# Altium PCB 28Pins_Project_1.1_PCB.PcbDoc (part 1 of 2)
Units mil, origin at the board's own origin, x right, y up, seen from the top; angles counter-clockwise.
Board outline 2700 x 2100 mil, 2 copper layers (L1, L2), stack 65.827 mil thick; 106 components, 71 nets, 323 pads, 107 vias.
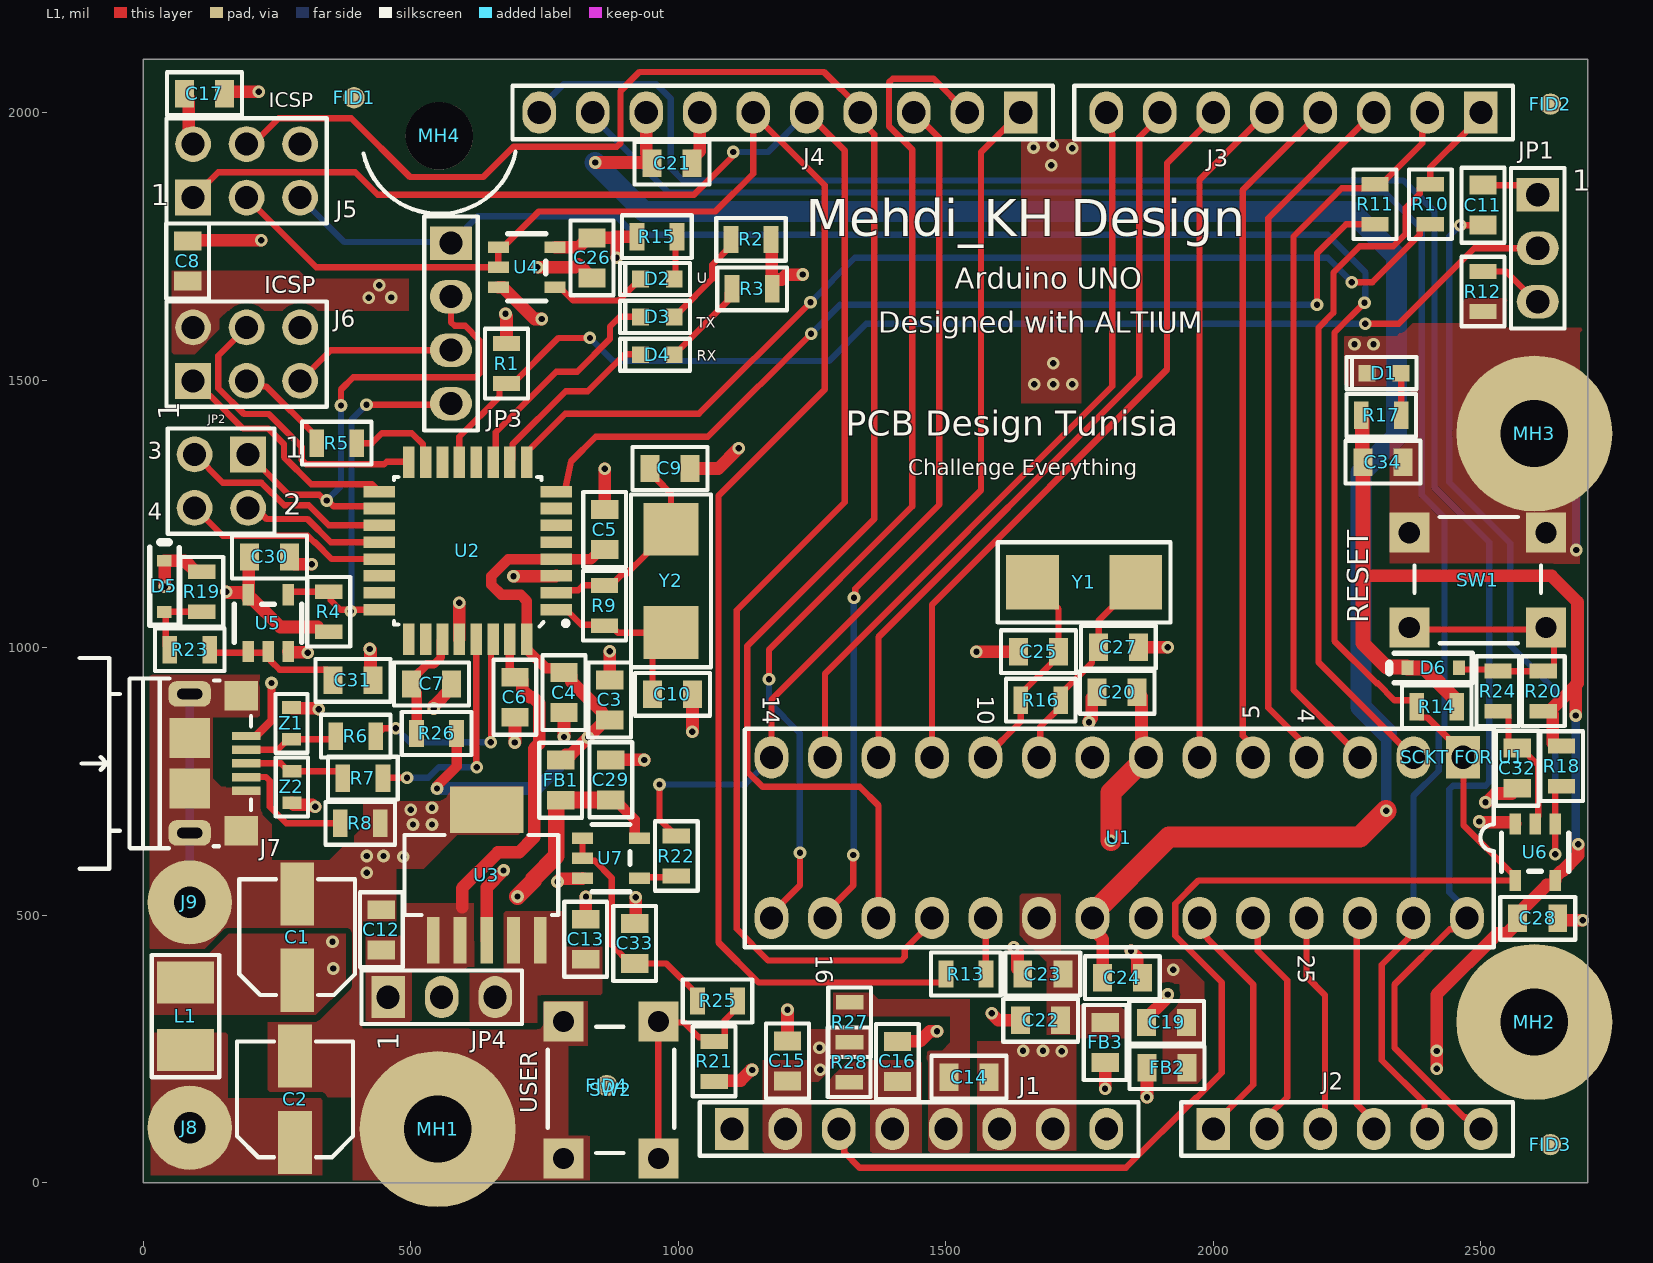
[diagram p0: L1 view]
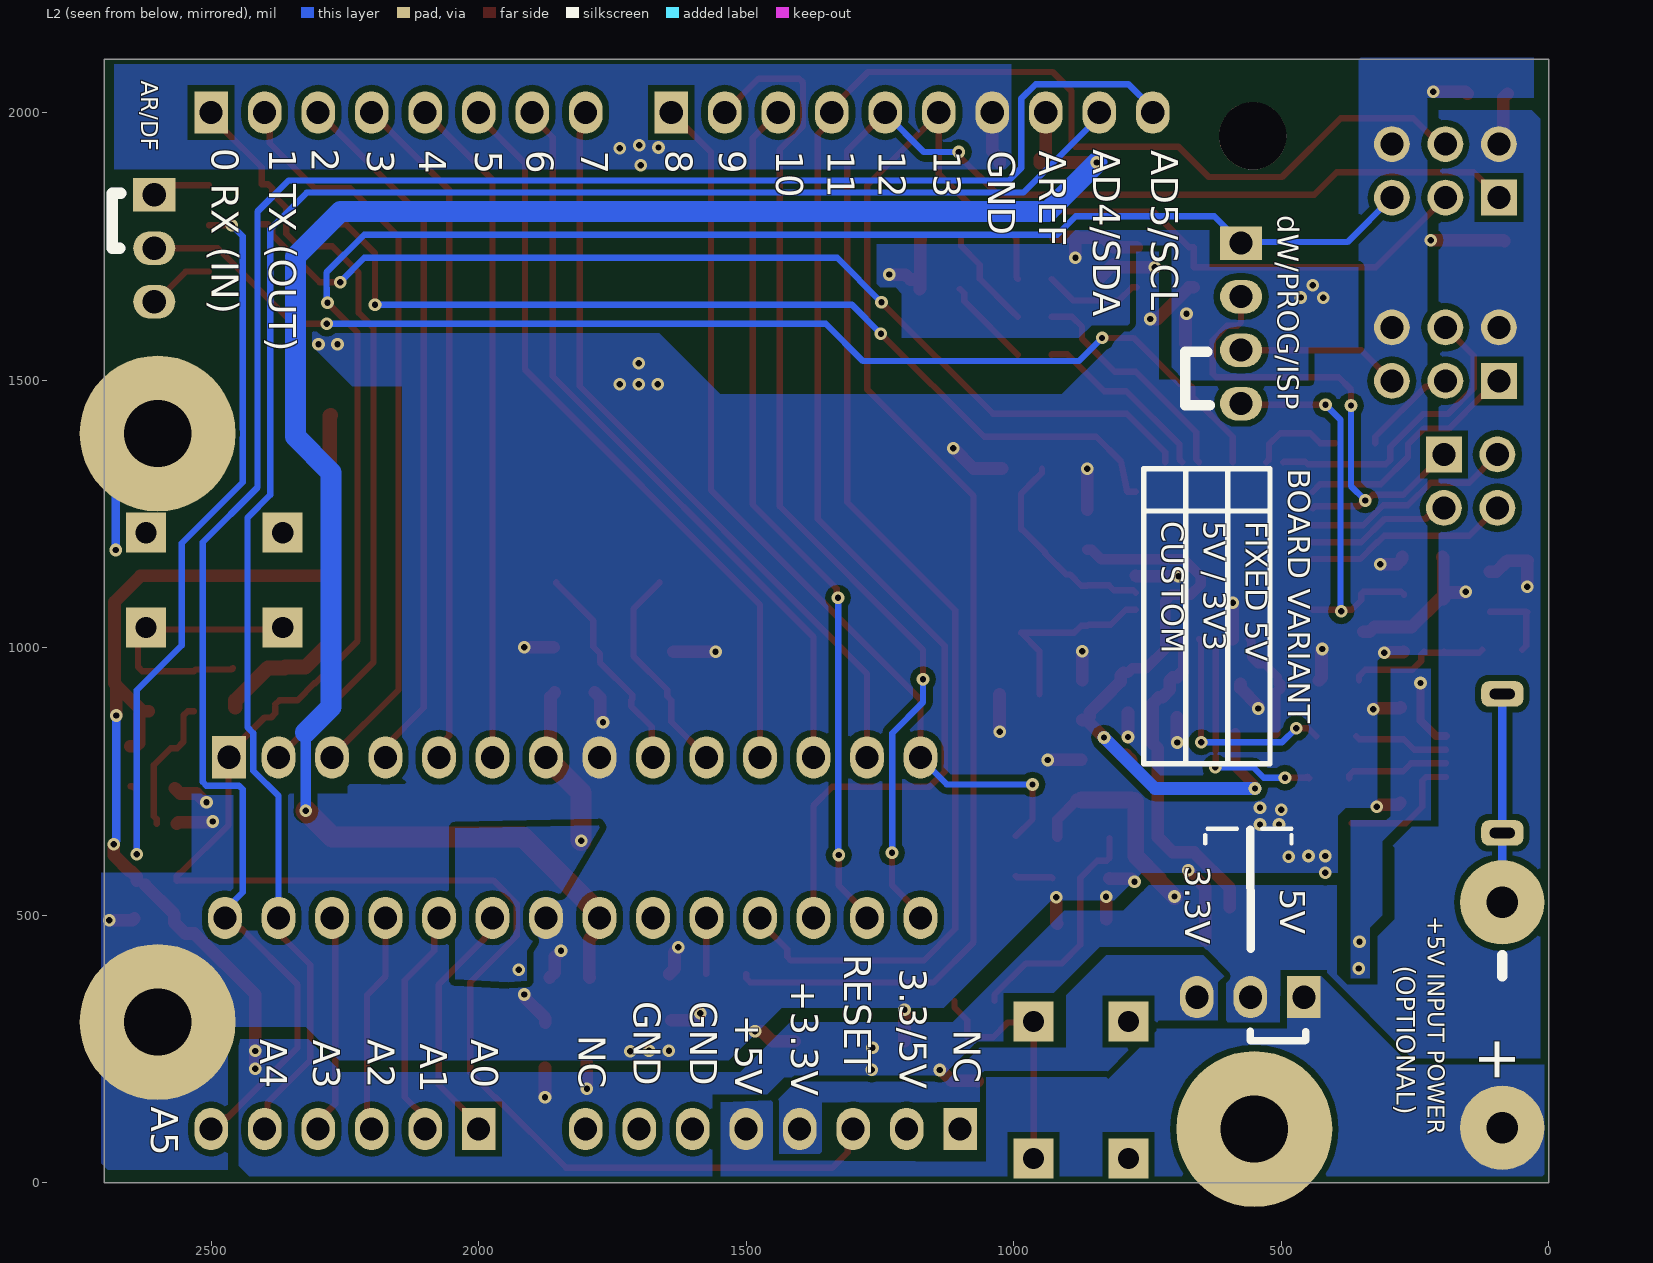
[diagram p1: L2 view, seen from below]
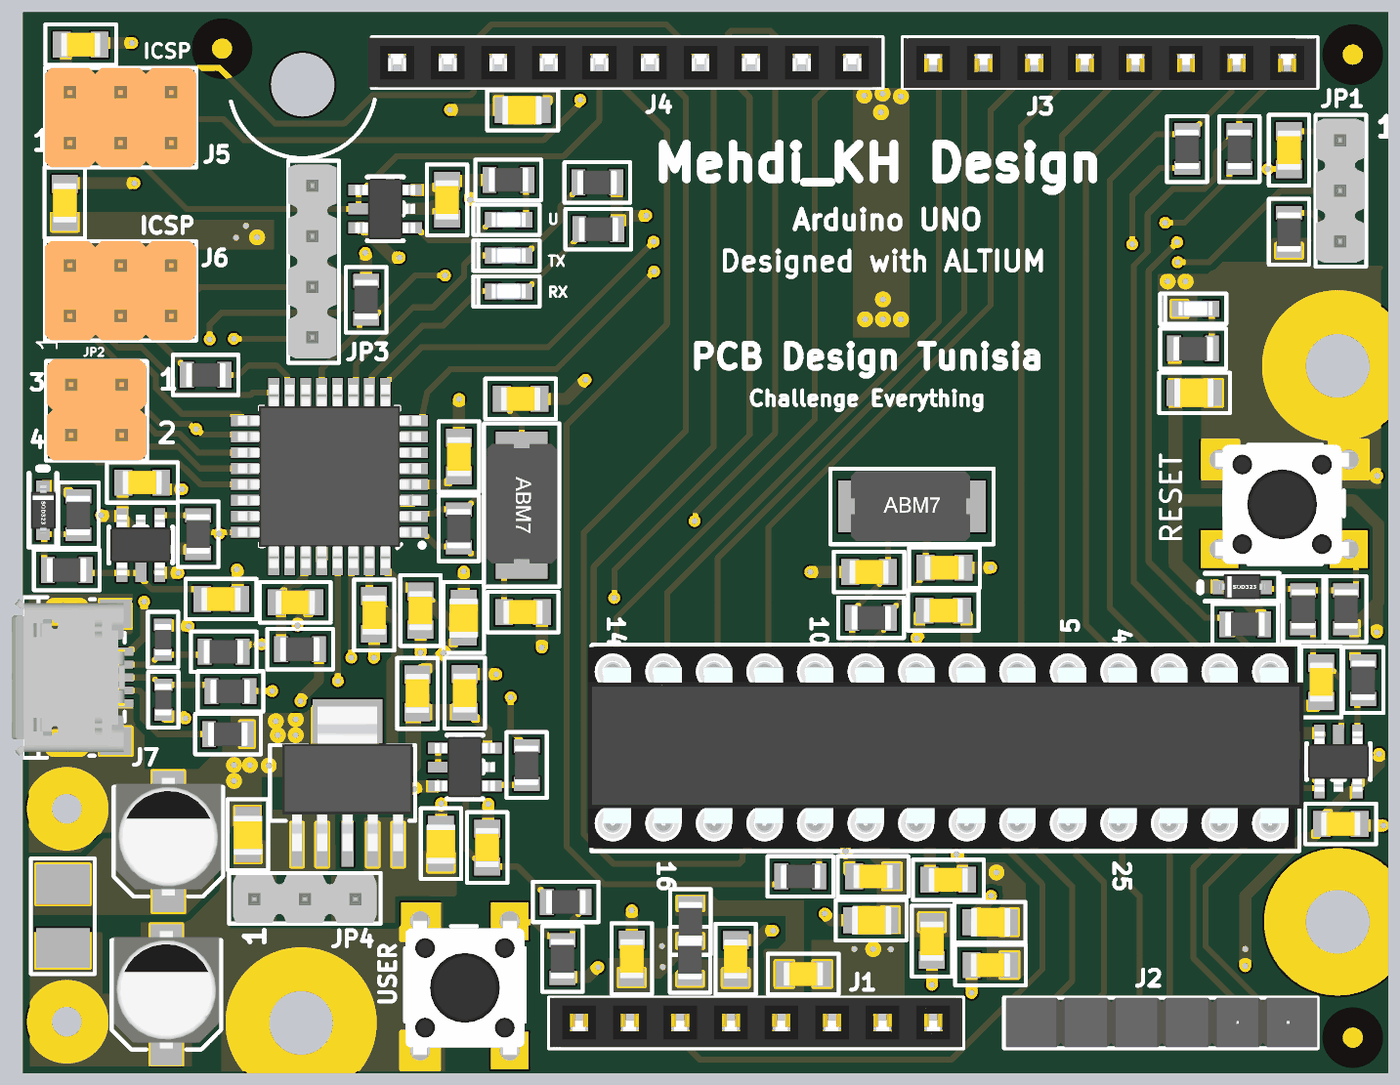
[diagram p3: 3D render of the assembled board from above, using the file's embedded part models]

## Layer stack, top to bottom
Top Solder: solder mask 0.3937, Solder Resist, Dk 3.5
L1: signal copper 1.4173
Dielectric 1: dielectric 62.9921, FR-4, Dk 4.8
L2: signal copper 1.4173
Bottom Solder: solder mask 0.3937, Solder Resist, Dk 3.5

## Board outline
0,0 2700,0 2700,2100 0,2100

## Design rules (kind name [scope] priority, off if disabled: settings)
Clearance "polygons clearance" [IsRegion] p1: gap=11.81 ignorepadtopadclearanceinfootprint=FALSE
Clearance [All] p2: gap=7.87 ignorepadtopadclearanceinfootprint=FALSE
ComponentClearance "SW2 to FID1" [InComponent('SW2') vs InComponent('FID1')] p1: gap=0 collisioncheckmode=3 verticalgap=0 showdistances=FALSE
ComponentClearance "power resistors" [InComponent('R27') vs InComponent('R28')] p2: gap=0 collisioncheckmode=3 verticalgap=0 showdistances=FALSE
ComponentClearance "MH4 to FID4 and J4" [InComponent('MH4') vs InComponent('FID4')  or InComponent('J4')] p3: gap=0 collisioncheckmode=3 verticalgap=0 showdistances=FALSE
ComponentClearance "DIP_socket to MH1 and U1" [InComponent('SCKT FOR U1') vs InComponent('MH2')  or InComponent('U1')] p4: gap=0 collisioncheckmode=3 verticalgap=0 showdistances=FALSE
ComponentClearance "MH2 to J2" [InComponent('MH2') vs InComponent('J2')] p5: gap=0 collisioncheckmode=3 verticalgap=0 showdistances=FALSE
HoleSize [All] p1: absolutevalues=TRUE maxlimit=393.7 minlimit=7.87 maxpercent=80.000 minpercent=20.000
HoleToHoleClearance [All] p1: gap=11.81 allowstackedmicrovias=TRUE
MinimumSolderMaskSliver [All] p1: minsoldermaskwidth=3.94
PolygonConnect [All] p1: connectstyle=Direct reliefconductorwidth=10 reliefentries=4 polygonreliefangle="90 Angle" airgapwidth=10
RoutingVias [All] p1: holewidth=11.81 width=23.62 viastyle="Through Hole" minholewidth=11.81 minwidth=23.62 maxholewidth=11.81 maxwidth=23.62
SilkToSilkClearance [All] p1: silktosilkclearance=3.94
SilkToSolderMaskClearance [IsPad] p1: minsilkscreentomaskgap=3.94 clearancetoexposedcopper=TRUE
SolderMaskExpansion [All] p1: expansion=3.94 istentingtop=FALSE
Width Width_POWERS [InNet('+*') or InNet('GND')] p1: maxlimit=157.48 minlimit=15.75 preferedwidth=15.75
Width [All] p2: maxlimit=19.68 minlimit=11.81 preferedwidth=11.81
24 further rules are at their usual default settings.

## Components (designator, comment, footprint, x,y, rotation, side; value= is the part's Value field where it differs from the comment)
C1 "100uF/10V" C-ALU_C_SIZE 287.4,458.66 r90 top
C2 "100uF/10V" C-ALU_C_SIZE 283.46,155.51 r90 top
C3 "10uF/16V" "C0805 10NF 145 HIGHT" 871.65,901.97 r270 top
C4 "100nF" C0805 786.22,915.75 r90 top
C5 "100nF" C0805 862.2,1220.47 r90 top
C6 "100nF" C0805 694.49,907.09 r90 top
C7 "1u/25V" C0805 538.58,931.89 r180 top
C8 "100nF" C0805 82.68,1722.44 r270 top
C9 "18p" C0805 984.25,1334.65 r180 top
C10 "18p" C0805 988.98,912.6 r180 top
C11 "100nF" C0805 2503.94,1826.77 r90 top
C12 "10uF/16V" "C0805 10NF 145 HIGHT" 444.88,472.44 r270 top
C13 "10uF/16V" "C0805 10NF 145 HIGHT" 826.77,454.72 r270 top
C14 "100nF" C0805 1543.31,196.85 r180 top
C15 "100nF" C0805 1203.94,227.17 r270 top
C16 "100nF" C0805 1409.45,226.38 r270 top
C17 "100nF" C0805 114.17,2035.43 r180 top
C19 "10uF/16V" "C0805 10NF 145 HIGHT" 1912.6,299.21 r0 top
C20 "100nF" C0805 1820.08,916.14 r0 top
C21 "10uF/16V" "C0805 10NF 145 HIGHT" 988.19,1905.51 r180 top
C22 "10uF/16V" "C0805 10NF 145 HIGHT" 1677.17,303.15 r0 top
C23 "100nF" C0805 1681.1,389.76 r0 top
C24 "100nF" C0805 1829.92,383.07 r180 top
C25 "18p" C0805 1673.23,992.13 r0 top
C26 "100nF" C0805 838.58,1728.35 r90 top
C27 "18p" C0805 1822.44,1000.79 r180 top
C28 "100nF" C0805 2606.25,493.75 r180 top
C29 "100nF" C0805 873.62,752.76 r270 top
C30 "100nF" C0805 235.83,1169.29 r180 top
C31 "100nF" C0805 391.73,938.58 r180 top
C32 "100nF" C0805 2567.72,774.41 r90 top
C33 "100nF" C0805 918.11,446.85 r270 top
C34 "10uF/16V" "C0805 10NF 145 HIGHT" 2316.93,1346.46 r180 top
D1 "GREEN" ORANGE_LED 2318.9,1512.8 r0 top
D2 "Orange" ORANGE_LED 960.63,1688.98 r0 top
D3 "Orange" ORANGE_LED 960.63,1618.11 r0 top
D4 "Orange" ORANGE_LED 960.63,1547.24 r0 top
D5 "BAT54HT1G: Schottky Diode" SOD323 39.37,1114.17 r270 top
D6 "BAT54HT1G: Schottky Diode" SOD323 2411.03,961.81 r0 top
FB1 "FERRITE BEAD 600 OHM 0805 1LN" C0805 779.92,751.97 r90 top
FB2 "FERRITE BEAD 600 OHM 0805 1LN" C0805 1913.39,214.57 r0 top
FB3 "FERRITE BEAD 600 OHM 0805 1LN" C0805 1797.64,261.81 r90 top
FID1 "FID_1MMC" FID_40X120D 393.7,2027.56 r0 top
FID2 "FID_1MMC" FID_40X120D 2629.92,2015.75 r90 top
FID3 "FID_1MMC" FID_40X120D 2629.92,70.87 r90 top
FID4 "FID_1MMC" FID_40X120D 866.14,181.1 r90 top
J1 "HDR Female 1×8 2.54mm" "HDR FEMALE 1×8 2.54MM" 1100,100 r90 top locked
J2 "HDR Female 6×1 2.54mm" "HDR FEMALE 1×6 2.54MM" 2000,100 r90 top locked
J3 "HDR Female 1×8 2.54mm" "HDR FEMALE 1×8 2.54MM" 2500,2000 r270 top locked
J4 "HDR Female Single Row 10 contacts 2.55mm" FEMALE_HEADER_10 1640,2000 r270 top locked
J5 "HDR 2x3" HDR_2X3_2.55MM 92.91,1840.94 r90 top locked
J6 "HDR 2x3" HDR_2X3_2.55MM 92.91,1498.43 r90 top locked
J7 "10118193-0001LF" 10118193_USB 191.93,834.65 r270 top
J8 "4MMx1.5MM" PAD_WITH_HOLE_4MMX1.5MM 86.61,102.36 r0 top
J9 "4MMx1.5MM" PAD_WITH_HOLE_4MMX1.5MM 86.61,523.62 r0 top
JP1 "HDR 3x1" "HDR 1×3 2.54MM" 2606.3,1846.46 r0 top locked
JP2 "HDR 2x2" HDR_2X2_2.54MM 145.67,1311.02 r270 top locked
JP3 "HDR 1x4" "HDR FEMALE 1×4 2.54MM" 574.8,1755.91 r0 top locked
JP4 "HDR 3x1" "HDR 1×3 2.54MM" 457.48,346.46 r90 top locked
L1 "2u2/2A" C120_IND 78.74,311.02 r270 top
MH1 "MH_7x4MMC_3.2MMD" MH_7X4MMC_3.2MMD 550,100 r0 top locked
MH2 "MH_7x4MMC_3.2MMD" MH_7X4MMC_3.2MMD 2600,300 r0 top locked
MH3 "MH_7x4MMC_3.2MMD" MH_7X4MMC_3.2MMD 2600,1400 r0 top locked
MH4 "MH_7x4MMNC_3.2MMD" "MH 7.4MM DIAMETRE_NON_COPPER_NPTH" 553.15,1956.3 r0 top
R1 "100K R" R0805 678.74,1530.71 r270 top
R2 "560R_Resistor" R0805 1135.83,1762.8 r0 top
R3 "560R_Resistor" R0805 1137.8,1670.28 r180 top
R4 "10K" R0805 346.46,1066.93 r270 top
R5 "22R" R0805 361.22,1381.89 r180 top
R6 "22R" R0805 396.85,834.25 r0 top
R7 "22R" R0805 410.24,755.91 r0 top
R8 "0R" R0805 405.51,671.26 r0 top
R9 "1M" R0805 861.81,1078.35 r90 top
R10 "1K" R0805 2405.51,1828.74 r90 top
R11 "1K" R0805 2302.17,1828.74 r90 top
R12 "1K" R0805 2503.94,1665.35 r90 top
R13 "22R" R0805 1537.4,389.76 r180 top
R14 "10K" R0805 2417.32,888.98 r0 top
R15 "560R_Resistor" R0805 959.84,1768.11 r180 top
R16 "1M" R0805 1677.17,901.57 r180 top
R17 "560R_Resistor" R0805 2313.98,1434.06 r180 top
R18 "10K" R0805 2650.79,778.35 r90 top
R19 "10K" R0805 109.4,1104.4 r90 top
R20 "10K" R0805 2616.93,918.5 r270 top
R21 "10K" R0805 1066.93,226.38 r270 top
R22 "560R_Resistor" R0805 996.06,610.24 r90 top
R23 "22R" R0805 86.61,996.06 r0 top
R24 "22R" R0805 2531.89,918.5 r270 top
R25 "22R" R0805 1073.23,339.37 r180 top
R26 "0R" R0805 548.03,839.37 r0 top
R27 "0R" R0805 1320.08,299.61 r270 top
R28 "0R" R0805 1319.29,224.8 r270 top
"SCKT FOR U1" "28-DIP-SOCKET" 28_DIP_7.62MM_SOCKET 2466.54,795 r270 top locked
SW1 "Button" 1825910-6_BUTTON 2494.09,1125.98 r270 top
SW2 "Button" 1825910-6_BUTTON 874.02,173.23 r0 top
U1 "ATMEGA328P-PU" 27_DIP_7.62MM 2466.54,795 r270 top locked
U2 "ATMEGA16U2-AU" TQFP32 606.3,1181.1 r180 top locked
U3 "TL1963A-33DCQR" "DCQ (REGULATOR-PDSO-G6)" 641.73,574.8 r90 top
U4 "AND_SN74AHC1G09DBVR" DBV_SOT_23_5_AND 716.54,1710.63 r0 top
U5 "AND_SN74AHC1G09DBVR" DBV_SOT_23_5_AND 233.02,1045.52 r90 top
U6 "AND_SN74AHC1G09DBVR" DBV_SOT_23_5_AND 2601.57,617.32 r270 top
U7 "AND_SN74AHC1G09DBVR" DBV_SOT_23_5_AND 874.02,606.3 r0 top
Y1 "ABM7-16.000MHZ-D2Y-T" CRYSTAL_16MHZ_FOOTPRINT 1758.27,1121.85 r180 top
Y2 "ABM7-16.000MHZ-D2Y-T" CRYSTAL_16MHZ_FOOTPRINT 986.22,1124.41 r90 top
Z1 "CG0603MLC-05E" R0603 276.77,858.27 r270 top
Z2 "CG0603MLC-05E" R0603 277.56,739.37 r90 top

## Footprints (in the part's own frame and the unit in brackets; to place one, negate y for a bottom-side part, rotate by r counter-clockwise, add the part's x,y. Pads: shape width x height; smd on the part's side, far side on the other; paste and mask are expansions set on the pad)
27_DIP_7.62MM [mm]
  rect 2x1.6 hole 1.1: 1(0,0)
  oval 2x1.6 hole 1.1: 2(0.01,-2.35) 3(0.01,-4.89) 4(0.01,-7.43) 5(0.01,-9.97) 6(0.01,-12.51) 7(0.01,-15.05) 8(0.01,-17.59) 9(0.01,-20.13) 10(0.01,-22.67) 11(0.01,-25.21) 12(0.01,-27.75) 13(0.01,-30.29) 14(0.01,-32.83) 15(7.63,-32.83) 16(7.63,-30.29) 17(7.63,-27.75) 18(7.63,-25.21) 19(7.63,-22.67) 20(7.63,-20.13) 21(7.63,-17.59) 22(7.63,-15.05) 23(7.63,-12.51) 24(7.63,-9.97) 25(7.63,-7.43) 26(7.63,-4.89) 27(7.63,-2.35) 28(7.63,0.19)
  silkscreen extent -1.35,-34.1 9.02,1.46, body extent -0.23,-34.26 7.65,1.68, height 7.55
28_DIP_7.62MM_SOCKET [mil]
  body extent -49,-1349 349,49, height 165
1825910-6_BUTTON [mm]
  rect 1.9x1.9 hole 1: 1(2.25,3.25) 2(2.25,-3.25) 3(-2.25,-3.25) 4(-2.25,3.25)
  silkscreen extent -3,-3 3,3, body extent -3,-4 2.99,3.8, height 5.11
10118193_USB [mm]
  rect 0.4x1.35 smd mask+0.05: 1(0,0) 2(0.65,0) 3(1.3,0) 4(1.95,0) 5(2.6,0)
  rect 1.4x1.6 smd: 6(-1.9,-0.225) 7(4.5,-0.225)
  rrect60% 1.2x2 hole 0.5 slot 1.2 at 90 deg: 8(-2,-2.675) 9(4.6,-2.675)
  rect 1.9x1.9 smd: 10(0.1,-2.675) 11(2.5,-2.675)
  silkscreen extent -3.7,-7.9 6.3,0.23, body extent -2.63,-5.43 5.23,0.23, height 2.87
C120_IND [mm]
  rect 2x2.7 smd: 1(-1.6,0) 2(1.6,0)
  silkscreen extent -2.9,-1.6 2.9,1.6, body extent -1.6,-1.2 1.65,1.2, height 2.7
C0805 [mm]
  rect 0.9x1.3 smd: 1(-0.95,0) 2(0.95,0)
  silkscreen extent -1.78,-1.02 1.78,1.02, body extent -1,-0.6 1,0.6, height 0.95
"C0805 10NF 145 HIGHT" [mm]
  rect 0.9x1.3 smd: 1(-0.95,0) 2(0.95,0)
  silkscreen extent -1.78,-1.02 1.78,1.02, body extent -0.97,-0.73 1.03,0.72, height 1.2
C-ALU_C_SIZE [mm]
  rect 3x1.6 smd: 1(-2.05,0) 2(2.05,0)
  silkscreen extent -2.75,-2.75 2.75,2.75, body extent -2.7,-2.65 3.2,2.7, height 5.41
CRYSTAL_16MHZ_FOOTPRINT [mm]
  rect 2.5x2.6 smd: 1(-2.45,0) 2(2.45,0)
  silkscreen extent -4.1,-1.9 4.1,1.9, body extent -2.93,-1.76 3.07,1.74, height 1.41
DBV_SOT_23_5_AND [mm]
  rect 1x0.55 smd: 1(-1.35,0.95) 2(-1.35,0) 3(-1.35,-0.95) 4(1.35,-0.95) 5(1.35,0.95)
  silkscreen extent -0.9,-1.6 0.9,1.6, body extent -1.51,-1.52 1.51,1.53, height 1.6
"DCQ (REGULATOR-PDSO-G6)" [mm]
  rect 2.2x0.6 smd: 1(-3.1,2.54) 2(-3.1,1.27) 3(-3.1,0) 4(-3.1,-1.27) 5(-3.1,-2.54)
  rect 2.2x3.5 smd: 6(3.1,0)
  silkscreen extent -1.9,-3.4 1.9,3.9, body extent -3.43,-3.27 3.83,3.28, height 1.71
FEMALE_HEADER_10 [mm]
  rect 2x1.6 hole 1.1: 1(0,0)
  oval 2x1.6 hole 1.1: 2(0,-2.54) 3(0,-5.08) 4(0,-7.62) 5(0,-10.16) 6(0,-12.7) 7(0,-15.24) 8(0,-17.78) 9(0,-20.32) 10(0,-22.86)
  silkscreen extent -1.27,-24.13 1.27,1.52, body extent -1.25,-24.33 1.25,1.47, height 8.31
FID_40X120D [mil]
  round 40 smd paste-40 mask+40: 1(0,0)
"HDR 1×3 2.54MM" [mm]
  rect 2x1.6 hole 1.1: 1(0,0)
  oval 2x1.6 hole 1.1: 2(0,-2.54) 3(0,-5.08)
  silkscreen extent -1.27,-6.35 1.27,1.27, body extent -1.24,-6.15 1.17,1.07, height 8.39
"HDR FEMALE 1×4 2.54MM" [mm]
  rect 2x1.6 hole 1.1: 1(0,0)
  oval 2x1.6 hole 1.1: 2(0,-2.54) 3(0,-5.08) 4(0,-7.62)
  silkscreen extent -1.27,-8.89 1.27,1.27, body extent -1.27,-8.68 1.14,1.08, height 8.39
"HDR FEMALE 1×6 2.54MM" [mm]
  rect 2x1.6 hole 1.1: 1(0,0)
  oval 2x1.6 hole 1.1: 2(0,-2.54) 3(0,-5.08) 4(0,-7.62) 5(0,-10.16) 6(0,-12.7)
  silkscreen extent -1.27,-14.22 1.27,1.52, body extent -1.23,-14.22 1.27,1.42, height 8.66
"HDR FEMALE 1×8 2.54MM" [mm]
  rect 2x1.6 hole 1.1: 1(0,0)
  oval 2x1.6 hole 1.1: 2(0,-2.54) 3(0,-5.08) 4(0,-7.62) 5(0,-10.16) 6(0,-12.7) 7(0,-15.24) 8(0,-17.78)
  silkscreen extent -1.27,-19.3 1.27,1.52, body extent -1.23,-19.25 1.27,1.47, height 8.31
HDR_2X2_2.54MM [mm]
  rect 1.7x1.7 hole 1.1: 1(-1.27,1.27)
  round 1.7 hole 1.1: 2(1.27,1.27) 3(-1.27,-1.27) 4(1.27,-1.27)
  silkscreen extent -2.5,-2.54 2.5,2.53, body extent -2.58,-2.5 2.5,2.5, height 8
HDR_2X3_2.55MM [mm]
  rect 1.7x1.7 hole 1.1: 1(0,0)
  round 1.7 hole 1.1: 2(2.54,0) 3(0,-2.54) 4(2.54,-2.54) 5(0,-5.08) 6(2.54,-5.08)
  silkscreen extent -1.23,-6.34 3.77,1.26, body extent -1.23,-6.35 3.77,1.27, height 8.01
"MH 7.4MM DIAMETRE_NON_COPPER_NPTH" [mm]
  round 3.2 hole 3.2 unplated: 1(0,0)
  silkscreen extent -3.6,-3.7 3.62,-0.75
MH_7X4MMC_3.2MMD [mm]
  round 7.4 hole 3.2: 1(0,0)
ORANGE_LED [mm]
  rect 0.8x0.8 smd: 1(-0.8,0) 2(0.8,0)
  silkscreen extent -1.78,-0.76 1.55,0.76, body extent -0.85,-0.39 0.85,0.41, height 0.66
PAD_WITH_HOLE_4MMX1.5MM [mm]
  round 4 hole 1.5: 1(0,0)
R0603 [mm]
  rect 0.6x0.9 smd: 1(-0.75,0) 2(0.75,0)
  silkscreen extent -1.4,-0.76 1.4,0.76, body extent -0.8,-0.42 0.8,0.42, height 0.81
R0805 [mm]
  rect 0.7x1.3 smd: 1(-0.95,0) 2(0.95,0)
  silkscreen extent -1.65,-1.02 1.65,1.02, body extent -1.01,-0.6 0.99,0.6, height 0.71
SOD323 [mil]
  rect 22x27 smd: 1(-48,0) 2(48,0)
  silkscreen extent -83,-28 73,28, body extent -49,-24 49,26, height 35
TQFP32 [mm]
  rect 1.5x0.55 smd paste+0 mask+0.06: 1(-4.2,2.8) 2(-4.2,2) 3(-4.2,1.2) 4(-4.2,0.4) 5(-4.2,-0.4) 6(-4.2,-1.2) 7(-4.2,-2) 8(-4.2,-2.8) 17(4.2,-2.8) 18(4.2,-2) 19(4.2,-1.2) 20(4.2,-0.4) 21(4.2,0.4) 22(4.2,1.2) 23(4.2,2) 24(4.2,2.8)
  rect 0.55x1.5 smd paste+0 mask+0.06: 9(-2.8,-4.2) 10(-2,-4.2) 11(-1.2,-4.2) 12(-0.4,-4.2) 13(0.4,-4.2) 14(1.2,-4.2) 15(2,-4.2) 16(2.8,-4.2) 25(2.8,4.2) 26(2,4.2) 27(1.2,4.2) 28(0.4,4.2) 29(-0.4,4.2) 30(-1.2,4.2) 31(-2,4.2) 32(-2.8,4.2)
  silkscreen extent -4.75,-3.5 3.5,3.6, body extent -4.6,-4.6 4.6,4.6, height 1.2
